# Altium PCB 红外光电寻迹.PcbDoc
Units mm, origin at the board's own origin, x right, y up, seen from the top; angles counter-clockwise.
Board outline 38.75 x 13.95 mm, 2 copper layers (Top Layer, Bottom Layer); 10 components, 15 nets, 46 pads, 16 vias.
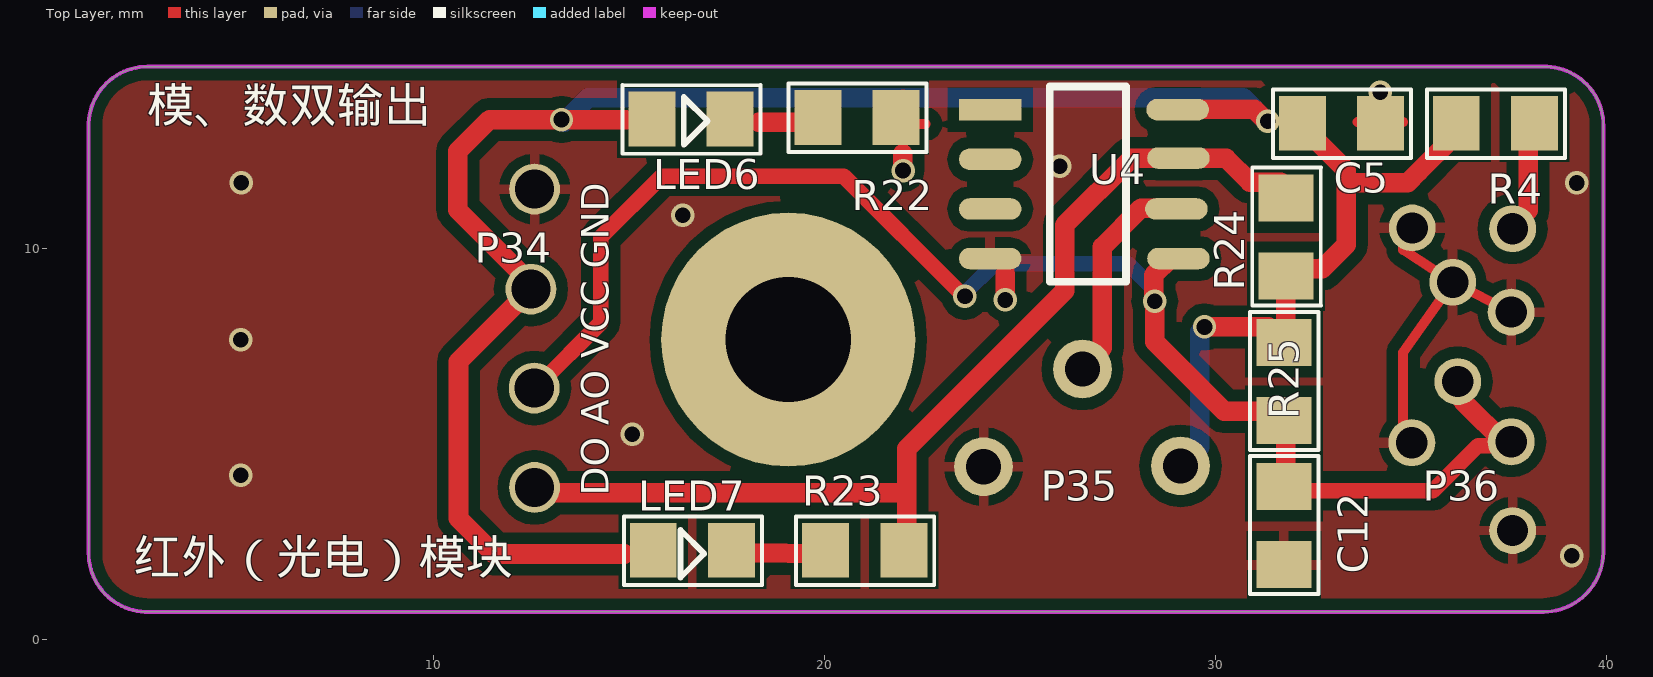
[diagram p0: Top Layer view]
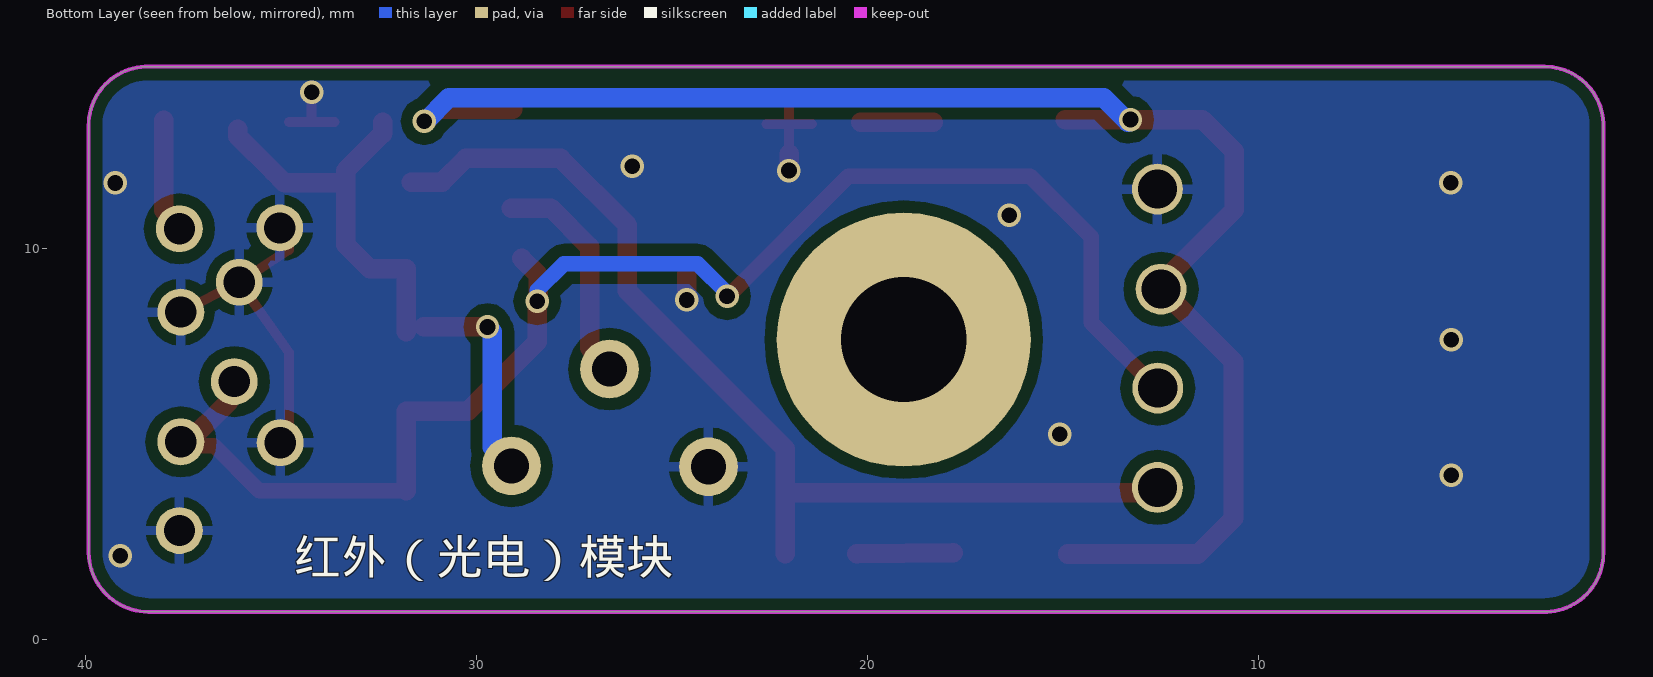
[diagram p1: Bottom Layer view, seen from below]
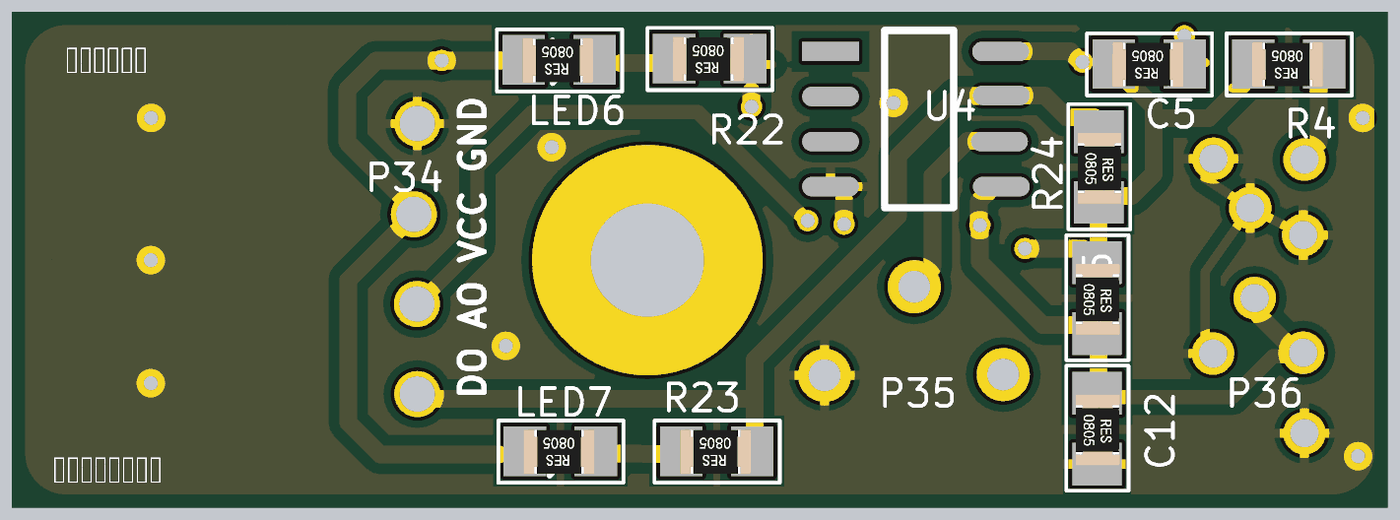
[diagram p2: 3D render of the assembled board from above, using the file's embedded part models]

## Layer stack, top to bottom
Top Solder: solder mask 0.0102, Solder Resist, Dk 3.5
Top Layer: signal copper 0.0356
Dielectric1: dielectric 0.32, FR-4, Dk 4.8
Bottom Layer: signal copper 0.0356
Bottom Solder: solder mask 0.0102, Solder Resist, Dk 3.5

## Board outline
1.402,1.423 1.349,1.514 1.304,1.609 1.265,1.706 1.232,1.806 1.207,1.908 1.189,2.012 1.179,2.116 1.176,2.221 1.176,2.211 1.176,13.159 1.176,13.16 1.177,13.213 1.184,13.317 1.199,13.421 1.221,13.524 1.251,13.625 1.287,13.723 1.33,13.819 1.38,13.912 1.436,14.001 1.498,14.086 1.566,14.166 1.639,14.241 1.717,14.311 1.8,14.376 1.887,14.434 1.979,14.486 2.073,14.532 2.171,14.571 2.271,14.603 2.373,14.628 2.476,14.646 2.581,14.657 2.686,14.66 2.676,14.66 38.421,14.66 38.474,14.659 38.579,14.652 38.683,14.637 38.786,14.614 38.886,14.585 38.985,14.549 39.081,14.506 39.173,14.456 39.262,14.4 39.347,14.338 39.427,14.27 39.503,14.197 39.573,14.119 39.637,14.036 39.696,13.948 39.748,13.857 39.794,13.763 39.833,13.665 39.865,13.565 39.89,13.463 39.908,13.36 39.918,13.255 39.922,13.15 39.921,13.158 39.921,2.251 39.922,2.271 39.921,2.217 39.915,2.11 39.901,2.003 39.88,1.897 39.851,1.793 39.815,1.691 39.772,1.592 39.723,1.497 39.666,1.405 39.604,1.317 39.535,1.234 39.461,1.155 39.382,1.082 39.298,1.015 39.209,0.954 39.116,0.899 39.02,0.851 38.92,0.81 38.818,0.775 38.714,0.748 38.608,0.728 38.501,0.716 38.393,0.711 2.676,0.711 2.623,0.712 2.518,0.72 2.414,0.735 2.312,0.757 2.211,0.786 2.112,0.822 2.016,0.866 1.924,0.915 1.835,0.971 1.75,1.033 1.67,1.101 1.594,1.174 1.524,1.253 1.46,1.336

## Design rules (kind name [scope] priority, off if disabled: settings)
Clearance CAM_Clearance_2 [OnLayer('Top Layer')] p1: gap=0.299 ignorepadtopadclearanceinfootprint=FALSE except(0: Arc-Hole Track-Hole SMDPad-Hole THPad-Hole Via-Hole Fill-Hole Poly-Hole Region-Hole Text-Hole)
Clearance CAM_Clearance_1 [OnLayer('Bottom Layer')] p2: gap=0.299 ignorepadtopadclearanceinfootprint=FALSE except(0: Arc-Hole Track-Hole SMDPad-Hole THPad-Hole Via-Hole Fill-Hole Poly-Hole Region-Hole Text-Hole)
Clearance [All] p3: gap=0.254 ignorepadtopadclearanceinfootprint=FALSE except(0: Arc-Hole Track-Hole SMDPad-Hole THPad-Hole Via-Hole Fill-Hole Poly-Hole Region-Hole Text-Hole)
PolygonConnect PolygonConnect_1 [isvia] p1: connectstyle=Direct reliefconductorwidth=0.254 reliefentries=4 polygonreliefangle="90 Angle" airgapwidth=0.254
PolygonConnect [All] p2: connectstyle=Relief reliefconductorwidth=0.254 reliefentries=4 polygonreliefangle="90 Angle" airgapwidth=0.254
RoutingVias [All] p1: holewidth=0.711 width=1.27 viastyle="Through Hole" minholewidth=0.711 minwidth=1.27 maxholewidth=0.711 maxwidth=1.27
SilkToSolderMaskClearance SilkscreenOverComponentPads [IsPad] p1: minsilkscreentomaskgap=0.254 clearancetoexposedcopper=TRUE
SolderMaskExpansion [All] p1: expansion=0.102
Width CAM_Width_2 [OnLayer('Top Layer')] p1: maxlimit=0.525 minlimit=0.102 preferedwidth=0.127
Width CAM_Width_1 [OnLayer('Bottom Layer')] p2: maxlimit=0.525 minlimit=0.102 preferedwidth=0.127
Width [All] p3: maxlimit=0.254 minlimit=0.254 preferedwidth=0.254
29 further rules are at their usual default settings.

## Components (designator, comment, footprint, x,y, rotation, side; value= is the part's Value field where it differs from the comment)
C5 "104 50V 10%" 0805-R 33.22,13.208 r180 top
C12 "104 50V 10%" 0805-R 31.75,2.921 r270 top
LED6 "贴片LED" 0805-R 16.583,13.32 r180 top
LED7 "贴片LED" 0805-R 16.619,2.286 r180 top
R4 "150 5%" 0805-R 37.157,13.208 r180 top
R22 "1K 5%" 0805-R 20.828,13.36 r180 top
R23 "1K 5%" 0805-R 21.028,2.286 r180 top
R24 "10K 5%" 0805-R 31.804,10.3 r270 top
R25 "10K 5%" 0805-R 31.75,6.604 r270 top
U4 "LM393" sop8 26.644,11.655 r0 top

## Footprints (in the part's own frame and the unit in brackets; to place one, negate y for a bottom-side part, rotate by r counter-clockwise, add the part's x,y. Pads: shape width x height; smd on the part's side, far side on the other; paste and mask are expansions set on the pad)
0805-R [mm]
  rect 1.2x1.4 smd: 1(-1,0) 2(1,0)
  silkscreen extent -1.78,-0.86 1.75,0.89, body extent -0.97,-0.61 1.03,0.64, height 0.55
sop8 [mm]
  rect 1.6x0.55 smd paste+0 mask+0.102: 1(-2.408,1.905)
  oval 1.6x0.55 smd paste+0 mask+0.102: 2(-2.408,0.635) 3(-2.408,-0.635) 4(-2.408,-1.905) 5(2.408,-1.905) 6(2.355,-0.635) 7(2.408,0.667) 8(2.387,1.905)
  silkscreen extent -0.88,-2.5 1.06,2.5

## Free pads (board coordinates)
  round 6.5 hole 3.2: 0(19.072,7.675)
  round 1.299 hole 1: 1(12.489,8.966) 1(12.574,6.437) 1(12.585,11.528) 1(12.585,3.897)
  rect 0.66x1 smd paste+0 mask+0.102: 1(32.402,13.236) 1(34.217,13.247) 1(36.17,13.179) 1(37.985,13.189)
  round 1.5 hole 0.9: 2(24.067,4.426) 2(26.597,6.924) 2(29.105,4.447)
  round 1.2 hole 0.8: 2(35.022,5.04) 2(35.032,10.533) 2(36.068,9.144) 2(36.195,6.604) 2(37.562,5.061) 2(37.562,8.382) 2(37.599,2.794) 2(37.599,10.512)

## Via types
v1: diameter 0.6, hole 0.4, Top Layer to Bottom Layer, 16 vias

## Nets (pads, with @x,y where several pads share a name; then routed paths per layer and width w, separated by ;. In a path a pad name is that pad's centre, name@x,y a point inside that pad or via, vN(x,y) a via of type N, cw(c..) or ccw(c..) an arc to the next point about the centre after c; other vN are vias at no path point)
$Net3: C12.1 pad.1@12.574,6.437 pad.2@36.195,6.604 pad.2@37.562,5.061 R25.2 U4.5 | length 38.5
  Top Layer w0.4: pad.1@12.648,6.479 14.278,8.109 14.278,10.3 15.833,11.855 20.49,11.855 23.517,8.829 v1@23.517,8.744 ; C12.1@31.793,3.81 35.56,3.81 36.716,4.966 pad.2@37.466,4.966
  Top Layer w0.5: pad.1@12.521,6.479 pad.1@12.648,6.479 ; v1@28.407,8.691 v1@28.417,8.681 ; v1@28.417,8.585 v1@28.417,8.681 ; U4.5@28.846,9.755 28.417,9.326 v1@28.417,8.681 ; C12.1@31.793,3.81 31.793,5.842 30.226,5.842 28.444,7.624 28.444,8.654 v1@28.417,8.681 ; pad.2@36.195,6.604 36.322,6.11 pad.2@37.466,4.966
  Bottom Layer w0.4: v1@23.515,8.854 23.58,8.854 24.345,9.619 27.762,9.619 28.449,8.933 v1(28.449,8.659) ; v1@28.481,8.649 v1@28.481,8.67
  other v1: 23.592,8.787
$Net4: pad.1@37.985,13.189 pad.2@37.599,10.512 R4.1 | length 3
  Top Layer w0.5: pad.2@37.519,10.512 37.995,10.988 pad.1@37.995,13.285
$Net5: pad.2@26.597,6.924 U4.6 | length 5.8
  Top Layer w0.5: pad.2@26.66,6.828 26.66,7.019 27.105,7.463 27.105,10.046 28.1,11.041 U4.6@29.115,11.041
$Net6: pad.1@12.585,3.897 R23.1 R24.1 U4.7 | length 26.1
  Top Layer w0.5: pad.1@12.595,3.759 21.993,3.759 ; R23.1@22.099,2.203 22.099,4.881 26.142,8.924 26.142,10.607 27.846,12.311 U4.7@29.095,12.311 ; U4.7@28.973,12.316 30.274,12.316 30.882,11.708 R24.1@31.666,11.708
$Net7: 
$Net8: 
$Net9: 
$Net10: pad.0
$Net11: LED6.1 R22.2 | length 1.9
  Top Layer w0.5: 18.32,13.231 R22.2@20.173,13.231
$Net12: LED7.1 R23.2 | length 2.5
  Top Layer w0.5: LED7.1@17.806,2.221 R23.2@20.278,2.203
$Net13: U4.2
$Net14: U4.3
$Net15: U4.1
GND: C5.1 C12.2 pad.1@12.585,11.528 pad.1@34.217,13.247 pad.2@24.067,4.426 pad.2@35.022,5.04 pad.2@35.032,10.533 pad.2@36.068,9.144 pad.2@37.562,8.382 pad.2@37.599,2.794 R22.1 U4.4 | length 14.2
  Top Layer w0.254: R22.1@21.419,13.189 R22.1@22.004,13.189 ; 22.004,12.435 R22.1@22.004,13.189 ; R22.1@22.004,13.943 R22.1@22.004,13.189 ; 22.588,13.189 R22.1@22.004,13.189 ; C5.1@33.633,13.247 pad.1@34.217,13.247 ; v1(34.217,14.001) pad.1@34.217,13.247 ; C5.1@34.801,13.247 pad.1@34.217,13.247 ; pad.2@35.022,5.04 34.798,5.264 34.798,7.345 pad.2@36.068,9.144 ; pad.2@35.032,10.533 34.798,10.299 34.798,9.973 pad.2@36.068,9.144 ; pad.2@37.562,8.382 pad.2@36.068,9.144
  Top Layer w0.5: 22.004,12.435 22.004,12.006 v1(22.008,12.002) ; v1(24.618,8.691) 24.618,9.368
  other v1: 39.111,2.145 5.07,4.204 15.082,5.257 5.07,7.675 16.373,10.861 5.081,11.686 39.243,11.684 26.015,12.11
VCC: C5.2 LED6.2 LED7.2 pad.1@12.489,8.966 pad.1@32.402,13.236 pad.1@36.17,13.179 pad.2@29.105,4.447 R4.2 R24.2 R25.1 U4.8 | length 56.7
  Top Layer w0.5: pad.1@12.447,9.167 10.616,10.998 10.616,12.491 11.431,13.306 14.934,13.306 ; pad.1@12.489,8.966 10.637,7.114 10.637,3.103 11.547,2.193 14.881,2.193 ; U4.8@29.068,13.57 30.989,13.57 v1@31.317,13.242 ; v1(29.718,8.001) R25.1@31.353,8.001 ; R25.1@31.793,7.874 31.793,9.487 32.728,9.487 33.349,10.108 33.349,11.684 ; pad.1@32.402,13.236 32.402,12.949 33.349,12.002 33.349,11.684 ; pad.1@36.112,13.062 36.112,12.885 35.199,11.972 34.911,11.684 33.349,11.684
  Bottom Layer w0.5: v1@13.336,13.242 13.961,13.867 30.703,13.867 v1@31.322,13.247 ; pad.2@29.117,4.451 29.591,4.925 29.591,7.874 v1(29.718,8.001)
  other v1: 31.338,13.263 13.272,13.305

## Polygon pours and split planes (outlines as drawn)
GND on Top Layer "Top Layer-No Net" (solid, pour order 4): 1.402,1.423 1.349,1.514 1.304,1.609 1.265,1.706 1.232,1.806 1.207,1.908 1.189,2.012 1.179,2.116 1.176,2.221 1.176,2.211 1.176,13.159 1.176,13.16 1.177,13.213 1.184,13.317 1.199,13.421 1.221,13.524 1.251,13.625 1.287,13.723 1.33,13.819 1.38,13.912 1.436,14.001 1.498,14.086 1.566,14.166 1.639,14.241 1.717,14.311 1.8,14.376 1.887,14.434 1.979,14.486 2.073,14.532 2.171,14.571 2.271,14.603 2.373,14.628 2.476,14.646 2.581,14.657 2.686,14.66 2.676,14.66 38.421,14.66 38.474,14.659 38.579,14.652 38.683,14.637 38.786,14.614 38.886,14.585 38.985,14.549 39.081,14.506 39.173,14.456 39.262,14.4 39.347,14.338 39.427,14.27 39.503,14.197 39.573,14.119 39.637,14.036 39.696,13.948 39.748,13.857 39.794,13.763 39.833,13.665 39.865,13.565 39.89,13.463 39.908,13.36 39.918,13.255 39.922,13.15 39.921,13.158 39.921,2.251 39.922,2.271 39.921,2.217 39.915,2.11 39.901,2.003 39.88,1.897 39.851,1.793 39.815,1.691 39.772,1.592 39.723,1.497 39.666,1.405 39.604,1.317 39.535,1.234 39.461,1.155 39.382,1.082 39.298,1.015 39.209,0.954 39.116,0.899 39.02,0.851 38.92,0.81 38.818,0.775 38.714,0.748 38.608,0.728 38.501,0.716 38.393,0.711 2.676,0.711 2.623,0.712 2.518,0.72 2.414,0.735 2.312,0.757 2.211,0.786 2.112,0.822 2.016,0.866 1.924,0.915 1.835,0.971 1.75,1.033 1.67,1.101 1.594,1.174 1.524,1.253 1.46,1.336
GND on Bottom Layer "GND_L02_P005" (solid, pour order 5): 1.402,1.423 1.349,1.514 1.304,1.609 1.265,1.706 1.232,1.806 1.207,1.908 1.189,2.012 1.179,2.116 1.176,2.221 1.176,2.211 1.176,13.159 1.176,13.16 1.177,13.213 1.184,13.317 1.199,13.421 1.221,13.524 1.251,13.625 1.287,13.723 1.33,13.819 1.38,13.912 1.436,14.001 1.498,14.086 1.566,14.166 1.639,14.241 1.717,14.311 1.8,14.376 1.887,14.434 1.979,14.486 2.073,14.532 2.171,14.571 2.271,14.603 2.373,14.628 2.476,14.646 2.581,14.657 2.686,14.66 2.676,14.66 38.421,14.66 38.474,14.659 38.579,14.652 38.683,14.637 38.786,14.614 38.886,14.585 38.985,14.549 39.081,14.506 39.173,14.456 39.262,14.4 39.347,14.338 39.427,14.27 39.503,14.197 39.573,14.119 39.637,14.036 39.696,13.948 39.748,13.857 39.794,13.763 39.833,13.665 39.865,13.565 39.89,13.463 39.908,13.36 39.918,13.255 39.922,13.15 39.921,13.158 39.921,2.251 39.922,2.271 39.921,2.217 39.915,2.11 39.901,2.003 39.88,1.897 39.851,1.793 39.815,1.691 39.772,1.592 39.723,1.497 39.666,1.405 39.604,1.317 39.535,1.234 39.461,1.155 39.382,1.082 39.298,1.015 39.209,0.954 39.116,0.899 39.02,0.851 38.92,0.81 38.818,0.775 38.714,0.748 38.608,0.728 38.501,0.716 38.393,0.711 2.676,0.711 2.623,0.712 2.518,0.72 2.414,0.735 2.312,0.757 2.211,0.786 2.112,0.822 2.016,0.866 1.924,0.915 1.835,0.971 1.75,1.033 1.67,1.101 1.594,1.174 1.524,1.253 1.46,1.336

## Keep-outs
Keep-Out Layer:
  lines w0.1: 1.176,2.211 1.176,13.159 1.177,13.213 1.184,13.317 1.199,13.421 1.221,13.524 1.251,13.625 1.287,13.723 1.33,13.819 1.38,13.912 1.436,14.001 1.498,14.086 1.566,14.166 1.639,14.241 1.717,14.311 1.8,14.376 1.887,14.434 1.979,14.486 2.073,14.532 2.171,14.571 2.271,14.603 2.373,14.628 2.476,14.646 2.581,14.657 2.686,14.66 ; 1.176,2.221 1.179,2.116 1.189,2.012 1.207,1.908 1.232,1.806 1.265,1.706 1.304,1.609 1.349,1.514 1.402,1.423 1.46,1.336 1.524,1.253 1.594,1.174 1.67,1.101 1.75,1.033 1.835,0.971 1.924,0.915 2.016,0.866 2.112,0.822 2.211,0.786 2.312,0.757 2.414,0.735 2.518,0.72 2.623,0.712 2.676,0.711 38.393,0.711 38.501,0.716 38.608,0.728 38.714,0.748 38.818,0.775 38.92,0.81 39.02,0.851 39.116,0.899 39.209,0.954 39.298,1.015 39.382,1.082 39.461,1.155 39.535,1.234 39.604,1.317 39.666,1.405 39.723,1.497 39.772,1.592 39.815,1.691 39.851,1.793 39.88,1.897 39.901,2.003 39.915,2.11 39.921,2.217 39.922,2.271 ; 2.676,14.66 38.421,14.66 38.474,14.659 38.579,14.652 38.683,14.637 38.786,14.614 38.886,14.585 38.985,14.549 39.081,14.506 39.173,14.456 39.262,14.4 39.347,14.338 39.427,14.27 39.503,14.197 39.573,14.119 39.637,14.036 39.696,13.948 39.748,13.857 39.794,13.763 39.833,13.665 39.865,13.565 39.89,13.463 39.908,13.36 39.918,13.255 39.922,13.15 ; 39.921,2.251 39.921,13.158

## Silkscreen, mask and mechanical layers (free items; w line width, h text height)
Top Overlay:
  lines w0.15: 16.913,2.191 16.315,1.593 16.315,2.807 16.921,2.201 ; 16.998,13.261 16.4,12.663 16.4,13.878 17.006,13.272
  lines w0.2: 25.761,14.154 25.761,9.155 27.708,9.155 27.708,14.154
  lines w0.203: 25.761,14.154 27.634,14.154 ; 27.37,14.154 27.708,14.154
  text "模、数双输出" at 2.667,12.954 h1.52
  text "P34" at 11.049,9.643 h0.76
  text "DO AO VCC GND" at 14.478,3.683 h0.7 r90
  text "P35" at 25.527,3.556 h0.76
  text "P36" at 35.306,3.556 h0.76
  text "红外（光电）模块" at 2.312,1.397 h1.52
Bottom Overlay:
  text "红外（光电）模块" at 34.671,1.397 h1.52